# Altium PCB HACK_LINK_V1_new_power.PcbDoc (part 5 of 6) (continued)
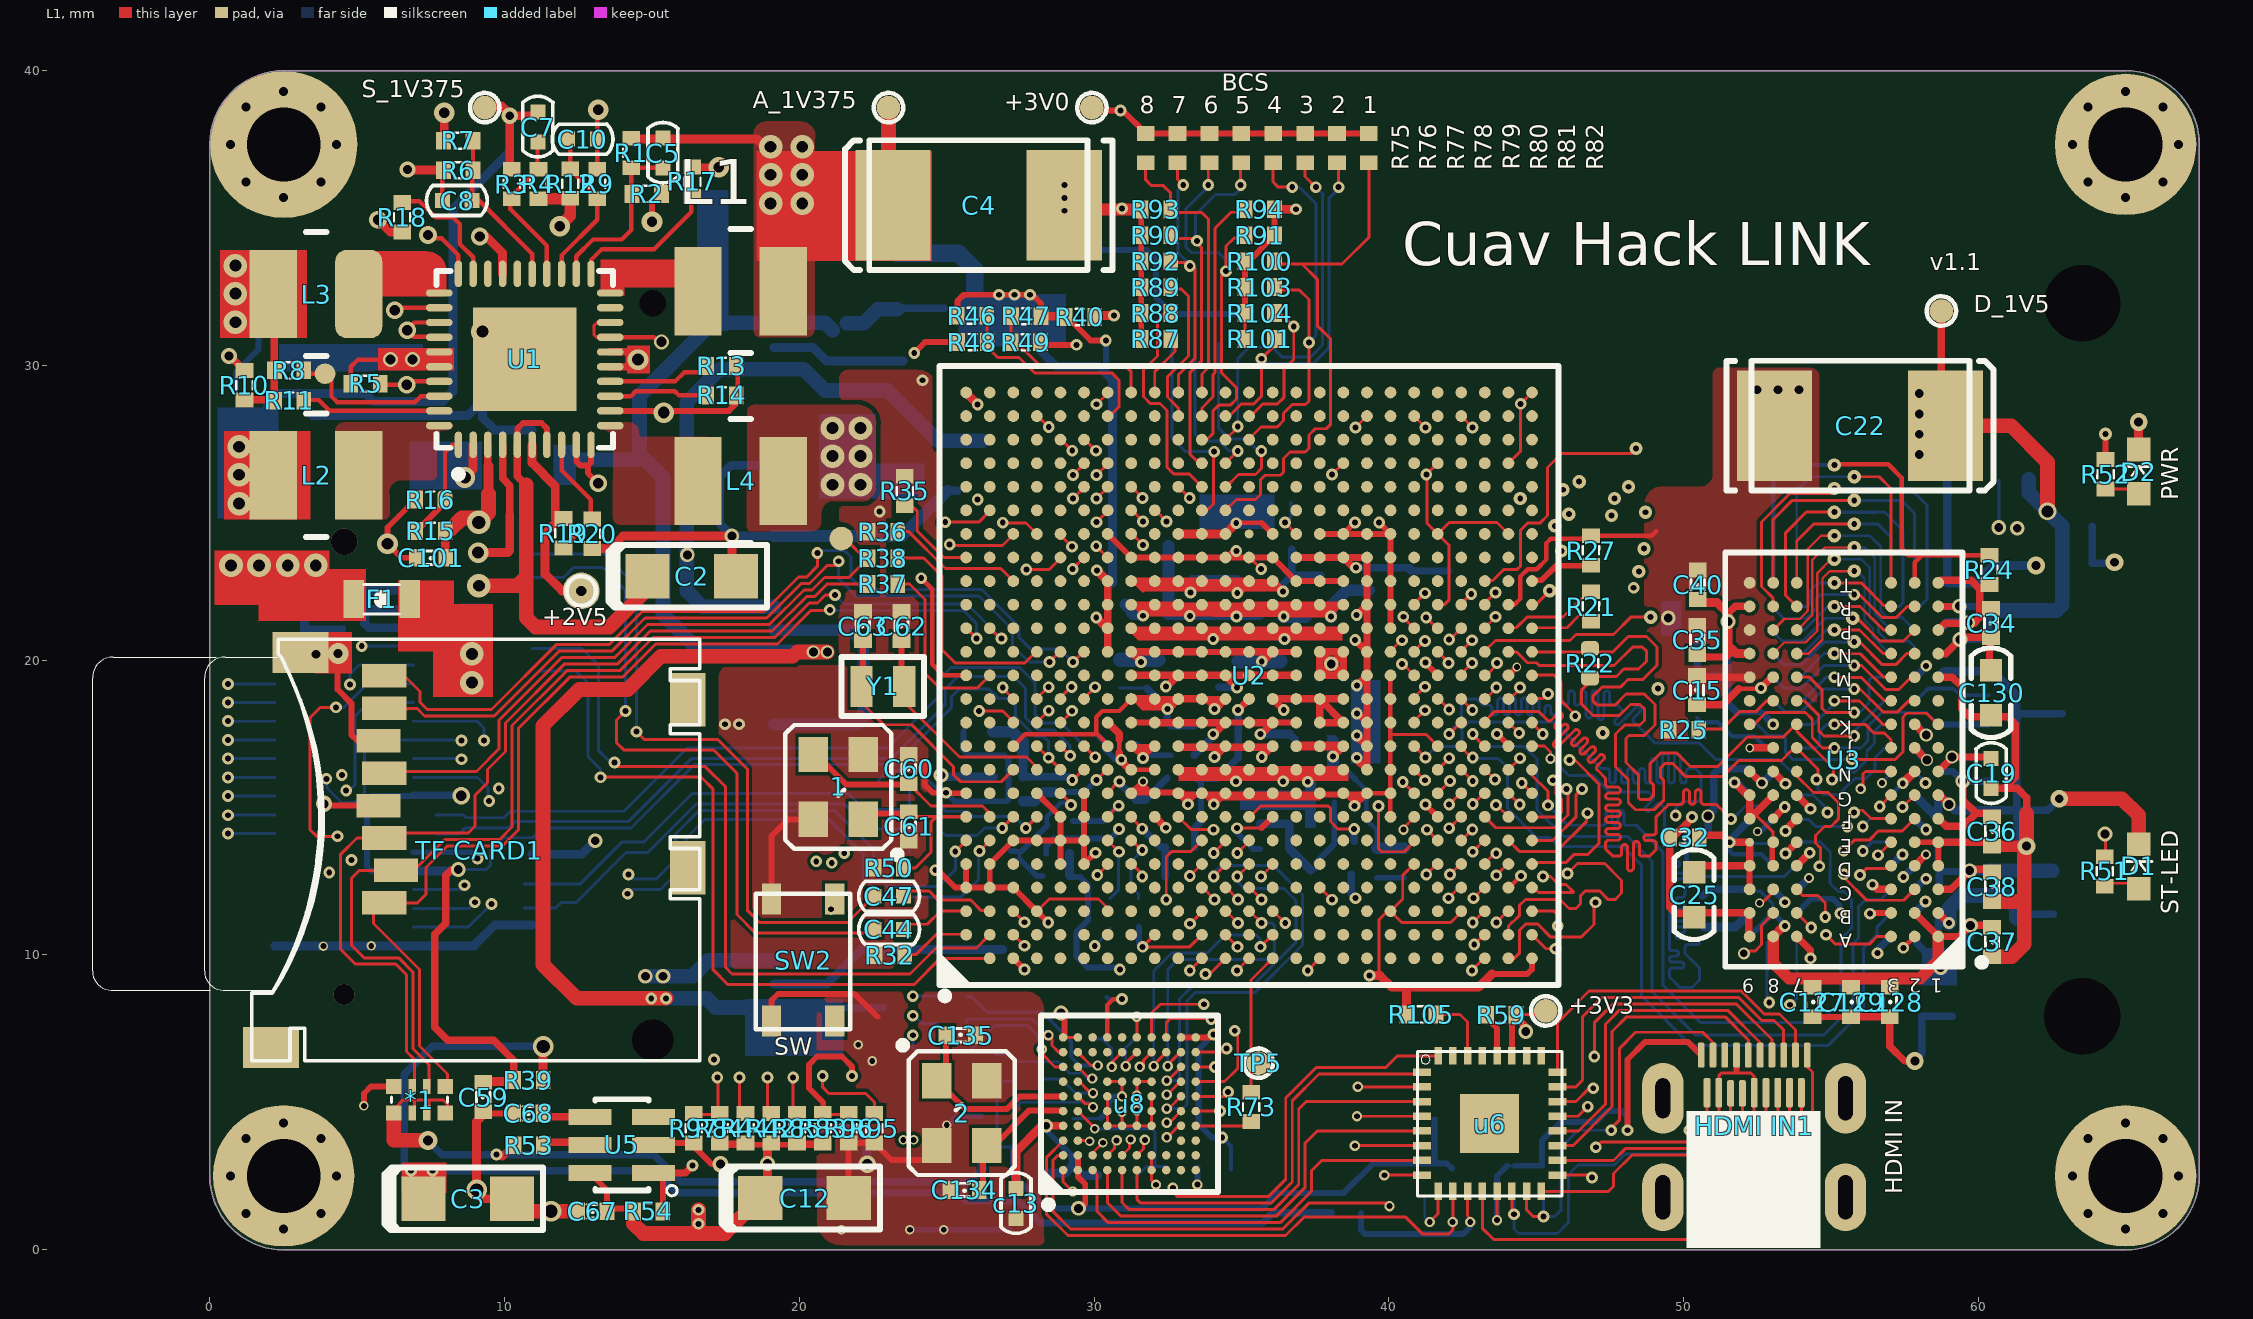
[diagram p0: L1 view]
## Nets (pads, with @x,y where several pads share a name; then routed paths per layer and width w, separated by ;. In a path a pad name is that pad's centre, name@x,y a point inside that pad or via, vN(x,y) a via of type N, cw(c..) or ccw(c..) an arc to the next point about the centre after c; other vN are vias at no path point) (continued)
  L1 w0.1: 15,35.502 R2.1@15.319,35.821 ; U5.2@15.05,3.551 U5.2@15.45,3.551 ; U2.D3@28.06,11.484 28.476,11.9 30.15,11.9 30.46,11.59 U2.G3@30.46,11.484 ; C4.2@28.989,35.441 C4.2@29.137,35.293 ; u8.D6@30.45,5.2 u8.D5@30.45,4.7 u8.D4@30.45,4.2 u8.E4@30.95,4.2 ; v2@30.975,4.7 v2(30.95,4.675) u8.E4@30.95,4.2 ; v2(31.45,4.725) u8.F4@31.45,4.2 ; u8.G6@31.95,5.2 u8.G5@31.95,4.7 u8.G4@31.95,4.2 u8.F4@31.45,4.2 ; U2.J2@32.06,10.684 v1(31.65,10.274) 33.25,10.274 U2.L2@33.66,10.684 ; v1(33.25,12.674) U2.L5@33.66,13.084 ; U2.M18@34.45,23.5 34.651,23.701 v1(34.827,23.701) ; R101.1@35.125,30.9 R104.1@35.125,31.78 ; U2.N18@35.286,23.478 v1(35.671,23.093) ; v1@39.3,9.3 v1(39.35,9.3) ; v1@39.55,9.3 39.675,9.425 39.675,11.2 39.959,11.484 U2.W3@40.06,11.484 ; 40.055,17.475 41.269,17.475 U2.AA10@41.66,17.084 ; U2.Y5@40.86,13.084 40.475,12.7 40.475,11.899 U2.W3@40.06,11.484 ; U2.Y24@40.86,28.284 v1(41.245,27.899) ; U2.AA16@41.66,21.884 41.884,21.884 42.05,22.05 42.05,23.894 U2.AA19@41.66,24.284 ; U2.AA22@41.66,26.684 v1(41.275,26.299) 41.294,26.28 41.294,24.65 U2.AA19@41.66,24.284 ; U2.AB3@42.46,11.484 42.46,11.46 42.1,11.1 40.444,11.1 U2.W3@40.06,11.484 ; U2.AB24@42.46,28.284 v1(42.845,27.899) ; v1@43.659,15.084 U2.AD7@44.06,14.684 ; U2.AD19@44.06,24.284 43.669,24.675 42.051,24.675 U2.AA19@41.66,24.284 ; U2.AD22@44.06,26.684 44.475,27.099 v1(44.475,28.699) U2.AE25@44.86,29.084 ; v1(46.975,6.55) 46.975,7.7 47.615,8.34 51.785,8.34 53,7.125 53,6.6 ; v1@50.2,3.95 51,3.95 51.2,4.15 51.2,5.325 ; 51.2,5.575 51.2,5.9 51.3,6 52.275,6 52.4,5.875 52.4,5.325 52.4,4.6 52.15,4.35 v1(52.15,3.6) ; v12@52.225,17.075 v12@52.276,17.024 ; 52.278,14.928 53.044,14.162 U3.E8@53.044,13.824 ; v1(53.1,3.675) 53.575,3.675 53.78,3.88 53.78,4.495 53.6,4.675 53.6,5.325 ; u8.E4@30.95,4.2 u8.F4@31.45,4.2
  L1 w0.15: U2.C10@27.26,17.084 27.66,17.484 30.116,17.484 30.07,17.53 30.07,18.07 30.275,18.275 30.851,18.275 U2.H12@31.26,18.684 ; U2.V8@39.24,15.489 U2.W8@40.04,15.489 ; U2.W7@40.055,14.689 40.055,17.475 U2.W13@40.055,19.429 ; U2.AD4@44.085,12.284 v1(44.485,12.684)
  L1 w0.154: v1(24.135,22.784) 24.507,22.412 24.507,19.859 24.882,19.484 U2.A13@25.66,19.484 ; 30.116,17.484 U2.G10@30.46,17.14 ; U2.AD16@44.06,21.884 44.259,21.884 44.468,22.093 44.468,22.847 44.713,23.092 45.023,23.092 45.35,23.419 45.35,23.975 45.501,24.126 46.767,24.126 R27.2@46.862,24.221 48.921,24.221 49.075,24.375 ; C32.2@49.535,13.984 C32.2@49.585,13.984
  L1 w0.2: v17(4.35,20.225) 4.335,20.21 4.335,19.003 4.8,18.538 4.8,17.475 5.008,17.267 5.718,17.267 ; v6(5.225,4.875) 5.225,5.3 5.459,5.534 *1.8@6.235,5.534 ; R16.2@6.975,25.45 6.025,24.5 v10(6.025,23.95) 6.5,23.475 C101.2@7,23.475 ; C59.1@9.325,4.625 C68.2@10.3,4.625 ; v11(15,34.875) 15,35.502 ; U5.2@15.45,3.551 15.518,3.619 R97.1@16.421,3.619 16.421,3.504 17.025,2.9 v18(17.325,2.9) ; SW2.4@19.05,7.75 19.05,8.45 19.275,8.675 21.875,8.675 22.65,7.9 ; SW2.2@19.05,12.075 19.05,14.025 19.626,14.601 1.4@20.474,14.601 ; C12.2@21.671,1.754 R96.1@21.671,3.619 R95.1@22.546,3.619 23.125,3.04 24.168,3.04 2.2@24.661,3.533 ; v1(23.9,30.425) 24.269,30.794 R48.1@25.372,30.794 ; 24.241,16.54 24.241,15.786 24.526,15.501 v1(24.976,15.501) ; v1@24.613,12.962 25.291,12.284 U2.A4@25.66,12.284 ; v1@25.041,15.484 U2.A8@25.66,15.484 ; U2.A5@25.66,13.084 U2.A4@25.66,12.284 ; U2.C1@27.26,9.884 v1(27.644,9.5) ; U2.D8@28.06,15.484 U2.E7@28.86,14.684 U2.E6@28.86,13.884 ; R49.1@28.185,30.786 28.271,30.7 v1(29.4,30.7) ; v1(28.444,11.1) U2.D3@28.06,11.484 U2.C4@27.26,12.284 U2.B4@26.46,12.284 ; U2.E5@28.86,13.084 U2.E6@28.86,13.884 ; U2.F8@29.66,15.484 U2.F7@29.66,14.684 U2.F6@29.66,13.884 ; v1(30.044,13.468) U2.F5@29.66,13.084 U2.F6@29.66,13.884 ; U2.G10@30.46,17.084 U2.G10@30.46,17.14 ; U2.G19@30.46,24.284 U2.H18@31.26,23.484 U2.J18@32.06,23.484 U2.K18@32.86,23.484 U2.L18@33.66,23.484 U2.M18@34.46,23.484 U2.N18@35.26,23.484 U2.P18@36.06,23.484 U2.R17@36.86,22.684 U2.T17@37.66,22.684 U2.U17@38.46,22.684 ; U2.H8@31.26,15.484 U2.H8@31.28,15.504 ; U2.H15@31.26,21.084 31.305,21.039 37.615,21.039 38.415,21.039 U2.U15@38.46,21.084 ; R87.1@31.6,30.9 R88.1@31.6,31.779 R89.1@31.6,32.657 R92.1@31.6,33.536 R90.1@31.6,34.414 R93.1@31.6,35.293 ; v2(31.66,15.884) U2.H8@31.28,15.504 ; U2.J12@32.06,18.684 U2.K12@32.86,18.684 ; U2.K8@32.86,15.484 v1@33.235,15.109 ; U2.L12@33.66,18.684 U2.M12@34.46,18.684 ; v1@34.06,15.084 U2.M8@34.415,15.439 ; U2.M8@34.46,15.484 U2.M8@34.415,15.439 ; R104.1@35.125,31.78 R103.1@35.125,32.66 35.125,33.42 R91.1@36.125,34.42 R94.1@36.125,35.3 ; U2.N8@35.215,15.439 U2.N8@35.26,15.484 ; U2.P8@36.015,15.439 U2.P8@36.06,15.484 ; U2.T8@37.66,15.484 37.615,15.439 U2.V8@39.215,15.439 ; U2.T19@37.66,24.284 U2.U19@38.46,24.284 ; v1(38.835,15.059) U2.V8@39.215,15.439 ; v1(38.85,24.674) U2.U19@38.46,24.284 ; U2.V8@39.26,15.484 U2.V8@39.215,15.439 ; v1(39.675,24.669) U2.W19@40.06,24.284 ; U2.W7@40.015,14.729 U2.W7@40.06,14.684 U2.W7@40.055,14.689 ; U2.W13@40.03,19.454 U2.W13@40.06,19.484 ; U2.W15@40.06,21.084 U2.W16@40.06,21.884 U2.W17@40.06,22.684 U2.W18@40.06,23.484 U2.W19@40.06,24.284 ; v1@41.225,19.919 U2.AA13@41.66,19.484 ; v1(41.244,15.1) U2.AA7@41.66,14.684 ; 43.5,9.35 44.7,9.35 44.86,9.51 U2.AE1@44.86,9.884 ; v1(43.675,17.5) 44.06,17.115 U2.AD10@44.06,17.084 ; U2.AD13@44.06,19.484 v12@44.369,19.793 ; 51.8,6.05 51.8,6.6 ; U3.D8@53.013,13.055 U3.E8@53.013,13.855 ; C127.2@54.375,7.899 C129.2@55.686,7.899 ; v1@56.4,11.424 U3.B3@57.044,11.424 ; U3.E2@57.844,13.824 U3.E1@58.644,13.824 U3.D1@58.644,13.024 ; U2.A4@25.66,12.284 U2.B4@26.46,12.284 ; U2.B4@26.46,12.284 U2.B5@26.46,13.084 U2.C6@27.26,13.884 U2.D6@28.06,13.884 U2.E6@28.86,13.884 ; U2.E6@28.86,13.884 U2.F6@29.66,13.884 ; U2.H8@31.28,15.504 32.996,15.504 33.061,15.439 U2.M8@34.415,15.439 ; U2.U19@38.46,24.284 U2.V19@39.26,24.284 U2.W19@40.06,24.284
  L1 w0.25: C32.2@49.61,13.959 v1@50.31,14.659
  L1 w0.254: U2.H12@31.26,18.684 U2.J12@32.06,18.684 ; v1@32.51,18.334 U2.K12@32.86,18.684 U2.L12@33.66,18.684 ; U2.K10@32.86,17.084 32.901,17.043 U2.M10@34.419,17.043 ; v1@34.085,16.709 U2.M10@34.419,17.043 ; v1@34.11,18.334 U2.M12@34.46,18.684 ; U2.M10@34.46,17.084 U2.M10@34.419,17.043 ; U2.N10@35.26,17.084 U2.N10@35.301,17.043 ; v1@35.66,16.684 U2.P10@36.019,17.043 ; U2.P10@36.06,17.084 U2.P10@36.019,17.043 ; v1(36.435,18.309) U2.P12@36.06,18.684 U2.R12@36.86,18.684 U2.T12@37.66,18.684 ; U2.U12@38.46,18.684 U2.T12@37.66,18.684 ; U2.AD4@44.06,12.284 U2.AD4@44.085,12.284 ; C32.2@49.535,13.984 49.535,11.609 49.735,11.409 50.236,11.409 cw(c50.236,11.285) C25.2@50.36,11.285 50.499,11.424 U3.B9@52.244,11.424 ; C15.2@50.46,19.484 50.52,19.424 U3.M9@52.244,19.424 ; v1@51.71,15.874 52.16,15.424 U3.G9@52.244,15.424 U3.F9@52.244,14.624 U3.G8@53.044,15.424 ; U3.B9@52.213,11.393 52.213,10.655 U3.A9@52.244,10.624 ; v12@52.276,17.024 U3.J8@53.044,17.024 ; U3.D8@53.013,13.055 U3.D8@53.044,13.024 U3.D8@53.044,12.993 ; C129.2@55.686,7.899 C128.2@56.997,7.899 56.997,6.903 57.5,6.4 v8(57.85,6.4) ; U3.J2@57.844,17 U3.J2@57.844,17.024 v25@58.259,16.609 ; U3.B1@58.644,11.424 v1@58.934,11.134 ; U3.E1@58.644,13.824 C36.2@60.423,13.824 ; U3.G1@58.644,15.424 58.695,15.424 v9(59.01,15.109) ; U3.M1@58.644,19.424 59.12,19.424 59.435,19.109 59.435,18.359 59.709,18.085 61.009,18.085 61.26,17.834 61.26,16.034 60.875,15.649 ; U3.P1@58.644,21.024 58.879,21.259 59.86,21.259 60.06,21.459 60.06,22.409 59.76,22.709 58.729,22.709 U3.T1@58.644,22.624 ; C19.2@60.441,15.649 60.875,15.649 ; 61.64,14.79 61.64,15.335 61.326,15.649 60.875,15.649 ; U2.M10@34.419,17.043 U2.N10@35.301,17.043 ; U2.N10@35.301,17.043 U2.P10@36.019,17.043 ; U2.T12@37.66,18.684 U2.T11@37.66,17.884 U2.U11@38.46,17.884 U2.T12@37.66,18.684
  L1 w0.3: v7(5.7,34.95) 6.119,34.531 R18.1@6.521,34.531 ; R7.2@7.95,37.65 v11(7.95,38.575) ; C59.1@9.325,4.625 9.05,4.35 9.05,1.9 9.225,1.725 C3.2@10.25,1.725 ; R20.2@12.968,23.789 13.589,23.789 14.015,24.215 v4(17.71,24.215) 17.71,22.99 C2.2@17.85,22.85 ; U2.A25@25.66,29.084 25.66,29.065 v1(26.05,28.675) ; U2.M8@34.415,15.389 U2.T8@37.615,15.389 ; R94.1@36.125,35.3 v1(36.85,35.3) ; v1(39.35,9.3) 39.55,9.3 39.7,9.3 40.1,8.9 43.05,8.9 43.5,9.35 ; R105.1@40.606,7.979 40.606,8.894 ; D2.2@65.444,27.15 v8(65.444,28.081)
  L1 w0.4: R4.1@11.146,35.656 R12.2@12.208,35.656 ; v11(11.875,34.725) 12.225,35.075 R12.2@12.225,35.673 ; C4.2@29.137,35.293 R93.1@31.6,35.293 ; C36.2@60.466,13.69 v8(61.64,13.69)
  L1 w0.5: C3.2@10.675,1.3 C67.2@12.475,1.3 ; C37.2@60.466,9.94 61.14,9.94 61.565,10.365 61.565,11.815 ; C38.2@60.466,11.815 61.565,11.815 ; 61.64,14.79 v8(61.64,13.69) 61.565,13.615 61.565,11.815 ; v8(62.75,15.3) 64.875,15.3 65.444,14.731 D1.2@65.444,13.75
  GND w0.1: 32.075,4.1 32.1,3.275
  GND w0.154: 29.65,4.45 30.475,4.475
  L6 w0.1: v1@0.603,16.657 con1.31@2.2,16.657 ; v1@9.1,13.175 v1@9.1,13.275 ; R33.1@22.706,15.721 22.706,15.956 22.99,16.24 24.06,16.24 24.799,15.501 v1(24.976,15.501) ; C105.2@30.859,19.05 C105.2@31.781,19.05 ; C104.2@32.491,17.884 C104.2@32.6,17.775 ; C79.2@36.575,14.45 C79.2@36.625,14.4 ; C73.2@37.349,12.876 C73.2@37.525,12.876 C73.2@37.525,13.125 ; C116.2@50.65,11 C116.2@50.7,10.95 ; U4.E1@52.281,13.787 U4.E2@53.007,13.787 ; U4.G9@58.644,15.424 U4.G9@58.695,15.424 ; U4.P9@58.644,21.024 U4.P9@58.699,21.024
  L6 w0.154: v1(50.285,14.684) 50.285,14.623 50.11,14.448 50.11,13.159 50.245,13.024 U4.D1@52.244,13.024 ; C24.2@50.46,18.035 50.595,17.9 51.169,17.9 51.642,17.427 52.402,17.427 52.805,17.024 U4.J2@53.044,17.024 ; C33.2@60.36,11.859 cw(c60.516,11.859) C33.2@60.516,12.015
  L6 w0.2: C80.2@0.875,29.175 0.875,29.775 1.65,30.55 1.65,32.324 C1.2@2.666,33.34 ; con1.15@6.9,13.482 8.893,13.482 v1@9.1,13.275 ; C56.2@21.5,34.275 C92.2@21.5,36.026 ; v6@23.75,0.65 cw(c23.775,0.65) 23.775,0.675 C65.2@26.275,0.675 C64.2@27.15,0.675 ; v1(24.976,15.501) 25.262,15.215 C107.2@26.591,15.215 27.04,15.215 27.1,15.275 27.1,16.625 26.96,16.765 C58.1@26.591,16.765 25.76,16.765 25.575,16.95 c57.1@25.575,17.575 ; v6@25,4.175 25.35,4.525 C123.2@26.175,4.525 ; C9.2@28.625,33.925 31.775,33.925 32.1,33.6 32.1,32.3 R86.1@32.65,31.75 R99.1@33.433,31.75 R98.1@34.217,31.75 R102.1@35,31.75 ; v1@31.529,10.395 R45.1@31.529,10.956 ; v2(33.506,2.206) R74.2@33.506,2.796 ; C73.2@37.525,13.125 38.15,13.75 C85.2@38.15,15.175 ; C83.2@39.6,12.619 C103.2@40.525,12.619 ; U4.B3@53.844,11.424 54.325,11.905 55.07,11.905 55.3,11.675 v1@55.3,11.4
  L6 w0.254: C105.2@31.781,19.05 v1(32.491,18.34) C104.2@32.491,17.884 ; C104.2@32.6,17.775 C76.2@33.4,17.775 ; v1@51.71,15.774 51.894,15.774 U4.G1@52.244,15.424 ; U4.E2@53.007,13.787 U4.E2@53.044,13.824 ; v1(57.46,12.64) U4.D8@57.844,13.024 ; v8(57.85,6.4) 58.091,6.641 C118.2@58.091,7.915 C117.2@59.116,7.915 ; U4.A9@58.644,10.624 U4.B9@58.644,11.424 ; 58.644,11.084 v1(59.01,11.084) ; U4.T9@58.644,22.624 58.925,22.624 58.95,22.649 ; 61.275,14.909 61.316,14.909 ; 61.291,11.25 61.417,11.376 C131.2@62.55,11.376 ; R26.1@61.316,18.788 61.316,18.15 ; v8(61.64,13.69) 61.316,14.014 61.316,14.909 ; v8(62.75,15.3) 62.359,14.909 61.316,14.909 ; C11.2@62.85,18.175 61.341,18.175 61.316,18.15 ; C126.2@63.866,24.54 C125.2@63.866,23.29 64.59,23.29 v8(64.625,23.325) ; 61.316,14.909 C29.2@61.316,15.765 C18.2@61.316,16.715 61.316,18.15
  L6 w0.3: con1.21@2.2,10.307 con1.20@6.9,10.307 8.957,10.307 9.665,11.015 J1.9@10.929,11.015 ; con1.36@3.207,19.832 con1.39@3.207,21.707 ; C81.2@3.474,28.3 8.75,28.3 9.25,28.8 ; v5(9.25,31.15) 9.25,28.8 ; J1.15@10.929,13.415 12.615,13.415 v4(13.075,13.875) ; J1.43@10.929,27.815 9.66,27.815 9.25,28.225 9.25,28.8 ; J1.4@19.129,9.015 20.94,9.015 22.111,10.186 26.888,10.186 ; J1.34@19.129,24.215 v4(17.71,24.215) 17.3,24.625 17.3,26.225 17.69,26.615 J1.40@19.129,26.615 ; J1.50@19.129,30.615 20.46,30.615 20.925,30.15 23.525,30.15 ; C52.2@20.747,4.097 21.928,4.097 22.3,3.725 v16(22.3,2.9) ; 25.025,25.75 25.35,25.75 ; C78.2@35.65,14.45 C79.2@36.575,14.45 ; C79.2@36.625,14.4 C122.2@36.625,13.6 C73.2@37.349,12.876 ; C116.2@50.7,10.95 51.77,10.95 U4.B1@52.244,11.424 ; U4.G8@57.844,15.424 U4.F9@58.644,14.624 U4.G9@58.644,15.424 ; U4.J8@57.844,17.024 v25(58.26,16.609) ; U4.M9@58.644,19.424 58.845,19.625 60.479,19.625 R26.1@61.31,18.794 ; U4.G9@58.695,15.424 v9(59.01,15.109) 59.21,14.909 C31.2@60.36,14.909 61.275,14.909 ; U4.P9@58.699,21.024 58.95,21.275 v4@59.7,21.275 ; C26.2@58.95,26.15 58.95,22.649 58.975,22.624 59.905,22.624 C23.2@60.493,23.212 v8(61.962,23.212)
  L6 w0.4: J1.18@19.129,17.815 21.966,17.815 22.175,18.024 22.175,20.575 21.735,21.015 J1.26@19.129,21.015 ; J1.34@19.129,24.215 23.49,24.215 25.025,25.75
  L6 w0.5: v1(59.01,11.084) 59.01,11.584 59.441,12.015 60.516,12.015 60.885,12.015 61.291,11.609 61.291,11.25
  other v1: 50.2,4.05 55.325,11.4 56.325,11.399 24.613,12.875 9.075,13.275 43.634,15.084 33.185,15.109 34.06,15.109 51.735,15.849 0.616,16.665 34.091,16.715 35.691,16.715 17.475,17.825 17.95,17.825 34.091,18.34 41.25,19.919 34.041,20.715 36.466,20.715 22.725,25.05 26.05,25.45 24.175,29.5 29,35.25 30.95,35.325 29,35.688 29,36.125
  other v4: 59.65,21.275 49.485,21.434 52.5,29.175 53.212,29.175 53.925,29.175
  other v6: 21.425,0.675 23.75,0.675 24.9,0.675 25,4.225 22.475,6.4 22,6.95 3.85,10.3 5.475,10.307
  other v12: 52.25,17.025 44.344,19.768
  other v13: 11.575,1.3 9.05,2.025
  other v17: 3.6,20.2
HDMI_3V3: R62.1 R64.1 R65.1 R66.1 R67.1 R68.1 R106.2 TP6.1 u8.B1 u8.B2 | length 23.5
  L1 w0.2: u8.B2@29.45,3.2 u8.B1@29.45,2.7 29.45,2.475 29.7,2.225 29.7,1.55
  L6 w0.1: R65.1@26.554,5.706 R66.1@27.191,5.706 ; R65.1@26.7,5.525 26.7,3.65 26.869,3.481 R64.1@27.254,3.481
  L6 w0.2: R64.1@27.254,3.481 27.254,2.521 28.375,1.4 v4(29.475,1.4) 35.725,1.4 36.25,1.925 38.475,1.925 39.47,2.92 41.675,2.92 ; TP6.1@41.55,4.425 41.55,3.045 41.675,2.92 ; R67.1@42.154,2.744 41.978,2.92 41.675,2.92
HDMI_CLK+: "HDMI IN1.12" u6.18 | length 7.9
  L1 w0.1: u6.18@45.725,3.025 47.625,3.025 48.025,3.425 51.3,3.425 51.825,3.95 51.825,4.525 52,4.7 52,5.325
HDMI_CLK-: "HDMI IN1.14" u6.17 | length 8.2
  L1 w0.1: u6.17@45.725,2.525 46.825,2.525 v1(46.9,2.45) ; v1(47.025,3.475) 47.195,3.645 51.209,3.645 51.6,4.036 51.6,5.325
  L2 w0.1: v1(46.9,2.45) v1@46.9,3.35
HDMI_D0+: "HDMI IN1.9" u6.20 | length 11
  L1 w0.1: u6.20@45.725,4.025 46.442,4.025 47.35,4.933 47.35,7.65 47.82,8.12 51.505,8.12 52.6,7.025 52.6,6.6
HDMI_D0-: "HDMI IN1.11" u6.19 | length 10.6
  L1 w0.1: u6.19@45.725,3.525 46.247,3.525 47.575,4.854 47.575,7.4 48.075,7.9 51.414,7.9 52.2,7.114 52.2,6.6
HDMI_D1+: "HDMI IN1.6" u6.22 | length 12.7
  L1 w0.1: u6.22@45.725,5.025 46.35,5.025 46.8,5.475 v1(46.938,5.475) ; 53.2,5.325 53.2,4.275 v1(53.3,4.175)
  L2 w0.1: v1(46.938,5.475) 47.3,5.475 47.5,5.675 47.5,6.75 47.775,7.025 52.725,7.025 53.3,6.45 v1(53.3,4.175)
HDMI_D1-: "HDMI IN1.8" u6.21 | length 12.6
  L1 w0.1: u6.21@45.725,4.525 46.425,4.525 v1(46.75,4.85) ; v1(52.575,3.9) 52.8,4.125 52.8,5.325
  L2 w0.1: v1(46.75,4.85) 47.375,4.85 47.9,5.375 47.9,6.564 48.066,6.73 52.17,6.73 52.575,6.325 v1(52.575,3.9)
HDMI_D2+: "HDMI IN1.3" u6.24 | length 11.6
  L1 w0.1: u6.24@45.725,6.025 45.725,7.7 46.796,8.771 51.963,8.771 52.739,7.995 53.255,7.995 53.8,7.45 53.8,6.6
HDMI_D2-: "HDMI IN1.5" u6.23 | length 11.5
  L1 w0.1: u6.23@45.725,5.525 46.35,5.525 46.575,5.75 46.575,7.9 47.23,8.555 51.874,8.555 52.655,7.775 53.075,7.775 53.4,7.45 53.4,6.6
HDMI_HPA: u6.32 u8.A1 | length 17.4
  L1 w0.1: u8.A1@28.95,2.7 28.95,2.3 v2(29.275,1.975) ; v2(32.675,2.1) 32.675,1.955 32.835,1.795 35.912,1.795 36.505,2.388 36.505,5.141 37.539,6.175 39.9,6.175 40.3,6.575 u6.32@41.675,6.575
  L2 w0.1: v2(29.275,1.975) 29.925,1.975 30.3,1.6 32.175,1.6 v2(32.675,2.1)
HDMI_HPD_CON: "HDMI IN1.1" u6.12 | length 18.3
  L1 w0.1: u6.12@43.175,1.975 43.175,0.725 43.55,0.35 50.3,0.35 50.6,0.65 50.6,2.525 50.95,2.875 53.875,2.875 54.375,3.375 54.375,6.025 54.2,6.2 54.2,6.6
HDMI_SCL: "HDMI IN1.17" R60.1 u6.15 | length 13.6
  L1 w0.1: u6.15@44.675,1.975 44.675,1.35 44.9,1.125 v1(45.25,1.125) ; v1@47.5,4.075 47.835,4.41 47.835,6.835 48.375,7.375 50.65,7.375 51,7.025 51,6.6
  L6 w0.1: R60.1@45.25,1.791 v1(45.25,1.125) 45.625,1.125 45.85,1.35 45.85,3.475 46.425,4.05 v1(47.55,4.05)
HDMI_SDA: "HDMI IN1.18" R61.1 u6.14 | length 12.4
  L1 w0.1: v1@44.175,1.275 u6.14@44.175,1.975 ; v1(50.675,4.325) 50.8,4.45 50.8,5.325
  L6 w0.1: R61.1@44.25,1.826 v1(44.25,1.2) 44.25,0.7 44.4,0.55 45.725,0.55 46.1,0.925 46.1,2.55 46.425,2.875 47.65,2.875 48.025,3.25 50.425,3.25 50.675,3.5 v1(50.675,4.325)
IRQ: R10.2 U1.32 | length 9.1
  L1 w0.1: v14@0.7,30.3 v14@0.702,30.3
  L1 w0.15: v7@6.1,31.8 6.259,31.959 U1.32@7.782,31.959
  L1 w0.254: v14@0.702,30.3 R10.2@1.171,29.831
  L2 w0.1: v14(0.65,30.325) 2.575,30.325 2.975,30.725 2.975,31.45 3.4,31.875 v7(6.275,31.875)
JTAG_MOD: con1.9 R45.2 U2.H6 | length 42.9
  L1 w0.1: U2.H6@31.276,13.894 v1@31.636,13.534
  L2 w0.1: v1@4,15.875 4,16.425 4.175,16.6 6.986,16.6 7.45,16.136 7.45,11.986 7.461,11.975 ; 7.45,11.975 8.068,11.357 20.046,11.357 20.848,12.16 26.148,12.16 26.917,12.928 29.764,12.928 29.914,13.078 31.153,13.078 31.609,13.534 v1@31.636,13.534
  L6 w0.1: v1@3.975,15.875 3.975,15.664 4.464,15.175 4.9,15.175 5.25,15.525 5.25,17.025 5.517,17.292 con1.9@6.9,17.292 v1@8.498,17.292 ; R45.2@31.504,11.906 31.504,12.071 31.25,12.325 31.25,13.148 v1@31.636,13.534
  other v1: 31.636,13.559 3.95,15.975 8.534,17.275
JTAG_NTRST: con1.8 U2.C2 | length 39.9
  L1 w0.1: U2.C2@27.25,10.7 v1(27.641,10.309)
  L2 w0.1: v1@4.15,12.8 5.325,12.8 5.845,12.28 5.845,11.402 7.462,9.785 25.741,9.785 26.265,10.309 v1(27.641,10.309)
  L3 w0.1: v1(4.05,12.8) 4.925,12.8 5.225,13.1 5.225,17.775 5.6,18.15 9.05,18.15 9.3,17.9 v1(9.3,17.275)
  L6 w0.1: con1.8@6.9,17.927 9.073,17.927 9.3,17.7 v1(9.3,17.275)
JTAG_TCK: con1.7 U2.H5 | length 37.3
  L1 w0.1: U2.H5@31.276,13.094 v1@31.686,12.684
  L2 w0.1: 4.425,15.525 4.425,15.15 4.582,14.993 6.044,14.993 6.945,14.091 6.945,11.858 7.918,10.885 25.285,10.885 25.913,11.513 26.53,11.513 26.582,11.565 26.598,11.565 27.172,12.139 29.098,12.139 29.112,12.125 29.114,12.125 29.249,11.99 30.465,11.99 30.97,12.495 31.497,12.495 v1@31.686,12.684
  L6 w0.1: 4.425,15.525 4.675,15.525 4.925,15.775 4.925,18.1 5.388,18.562 con1.7@6.9,18.562
  other v1: 31.636,12.659 4.623,15.58
JTAG_TDI: con1.5 U2.G5 | length 37.4
  L1 w0.1: v1(30.11,12.708) U2.G5@30.47,13.068
  L2 w0.1: v1@4.475,16.075 4.775,16.375 6.9,16.375 7.23,16.045 7.23,11.884 7.976,11.137 20.137,11.137 20.944,11.944 26.244,11.944 27.008,12.708 v1(30.11,12.708)
  L3 w0.1: v1@4.475,16.075 4.525,16.075 4.725,16.275 v1@4.725,19.175
  L6 w0.1: v1(4.75,19.175) 4.75,19.525 5.057,19.832 con1.5@6.9,19.832
  other v1: 4.475,16.1
JTAG_TDO: con1.6 R43.2 | length 39.7
  L1 w0.1: v1(4.275,18.4) 3.75,18.4 3.4,18.05 3.4,14.25 3.625,14.025 v1(4.325,14.025)
  L2 w0.1: v1(4.325,14.025) 4.505,14.205 5.898,14.205 6.285,13.818 6.285,11.584 7.644,10.225 25.558,10.225 26.201,10.867 26.817,10.867 27.429,11.479 28.846,11.479 ; 28.846,11.478 28.99,11.335 29,11.325 29.553,11.325 30.025,10.853 v1(30.025,10.3)
  L6 w0.1: v1(4.275,18.4) 4.55,18.4 5.347,19.197 con1.6@6.9,19.197 ; v1(30.025,10.3) 30.546,10.821 R43.2@30.546,10.919
JTAG_TDO_R: R43.1 U2.G6 | length 2.2
  L1 w0.1: U2.G6@30.46,13.884 v1(30.845,13.499)
  L6 w0.1: R43.1@30.546,11.919 30.835,12.208 v1@30.835,13.499
JTAG_TMS: con1.4 U2.C3 | length 38.4
  L1 w0.1: U2.C3@27.25,11.5 v1(27.641,11.109)
  L2 w0.1: v1(4.8,13.225) 4.8,13.7 5.085,13.985 5.807,13.985 6.065,13.727 6.065,11.493 7.553,10.005 25.649,10.005 26.296,10.652 27.184,10.652 v1(27.641,11.109)
  L3 w0.1: v1(4.8,13.225) 4.8,14.35 4.345,14.805 4.345,15.334 4.084,15.595 3.655,15.595 3.475,15.775 3.475,19.15 4,19.675 4.9,19.675 5.15,19.925 v1(5.15,20.476)
  L6 w0.1: v1(5.15,20.476) 5.151,20.475 6.893,20.475 con1.4@6.9,20.467
KEY_COL5: SW2.1 U2.P5 | length 16.6
  L1 w0.1: v1(35.66,12.658) U2.P5@36.07,13.068
  L2 w0.1: v1(21.075,11.55) 21.075,11.475 21.445,11.105 25.194,11.105 25.818,11.729 26.434,11.729 27.065,12.359 29.182,12.359 29.187,12.354 ; 29.187,12.354 29.201,12.341 29.203,12.341 29.333,12.21 30.335,12.21 30.983,12.858 31.244,12.858 31.436,13.05 35.425,13.05 35.66,12.815 v1(35.66,12.658)
LRCLK: R71.1 u8.B9 | length 6.5
  L1 w0.1: u8.B9@29.45,6.7 29.9,6.25 v2@30.05,6.25
  L6 w0.125: R71.1@25.694,8.579 25.846,8.579 26.375,8.05 28.24,8.05 29.225,7.065 29.225,6.525 29.5,6.25 v2(30.125,6.25)
LTC3676_SCL: R13.1 U1.14 | length 3.4
  L1 w0.15: U1.14@13.582,29.459 15.784,29.459 16.1,29.775 R13.1@16.854,29.775
LTC3676_SDA: R14.1 U1.13 | length 3.4
  L1 w0.15: U1.13@13.582,28.959 14.284,28.959 14.45,29.125 15.775,29.125 15.917,28.983 R14.1@16.862,28.983
MCLINK: R69.1 u8.A8 | length 4.8
  L1 w0.1: v2@28.225,6.925 v2(28.225,6.8) 28.225,6.65 28.675,6.2 u8.A8@28.95,6.2
  L6 w0.1: R69.1@25.494,6.729 25.754,6.729 26.623,7.598 27.752,7.598 28.105,7.245 28.105,6.92 v2(28.225,6.8)
MPCIE_1V5: C54.1 C55.1 J1.6 J1.28 J1.48 SH2.2 TP1.1 | length 47.7
  L3 w0.5: v4(14.775,9.275) 12.8,9.275 12.15,9.925 12.15,21.775 11.225,22.7 11.225,23.325 11.75,23.85 15.925,23.85 v4(16.2,23.575)
  L6 w0.5: v4(14.775,9.275) v4(15.375,9.275) 16.375,9.275 16.915,9.815 J1.6@19.129,9.815 ; J1.28@19.129,21.815 16.71,21.815 16.175,22.35 16.175,28.75 17.3,29.875 20.15,29.875 20.875,29.15 23,29.15 24.7,27.45 C55.1@26.225,27.45
MPCIE_3V3: C50.1 C52.1 C53.1 C56.1 J1.2 J1.24 J1.39 J1.41 J1.52 SH1.1 TP_PCI_E_VCC1.1 | length 58.8
  L1 w0.5: v1(15.475,8.525) v1(14.975,8.525) 12.45,8.525 11.3,9.675 11.3,17.775 12.53,19.005 14.174,19.005 15.299,20.13 19.78,20.13 19.925,20.275 v9(20.95,20.275)
  L6 w0.25: SH1.1@23.339,31.938 C50.1@24.923,31.938
  L6 w0.254: J1.2@19.129,8.215 TP_PCI_E_VCC1.1@22.84,8.215
  L6 w0.5: 12.125,26.8 14.775,26.8 14.575,27 14.575,28.975 17.05,31.45 20.874,31.45 C56.1@21.125,31.199 ; 14.65,26.925 15.375,26.2 15.375,21.55 16.65,20.275 v9(20.95,20.275) ; v1(15.475,8.525) 16.85,8.525 17.16,8.215 J1.2@19.129,8.215 ; C56.1@21.61,31.434 22.185,31.434 22.66,31.909 SH1.1@23.31,31.909
  other v9: 20.475,20.275
Net2_1: 2.1 C135.1 u8.A6 | length 6.1
  L1 w0.2: 2.1@24.661,5.733 25.619,4.775 27.05,4.775 27.475,5.2 u8.A6@28.95,5.2 ; 2.1@24.975,6.047 C135.1@24.975,7.275
Net2_3: 2.3 C134.1 u8.A5 | length 4.7
  L1 w0.1: 2.3@26.225,3.397 2.3@26.361,3.533
  L1 w0.2: C134.1@26.225,2 2.3@26.225,3.397 ; 2.3@26.361,3.533 26.608,3.533 27.8,4.725 u8.A5@28.95,4.725
NetC68_1: C68.1 U5.4 | length 1.6
  L1 w0.255: C68.1@11.301,4.501 U5.4@12.9,4.501
NetC133_1: C133.1 R74.1 u8.B5 | length 5.3
  L1 w0.1: u8.B5@29.45,4.7 v6@30.025,4.125
  L6 w0.1: v6(30.025,4.1) 31.95,4.1 32.075,3.975 32.075,2.821 ; C133.1@31.421,2.463 31.779,2.821 32.075,2.821 ; R74.1@32.506,2.821 32.075,2.821
NetD1_1: D1.1 R51.1 | length 1.2
  L1 w0.1: R51.1@64.321,12.431 65.263,12.431 D1.1@65.444,12.25
NetD2_1: D2.1 R52.1 | length 1.2
  L1 w0.1: R52.1@64.321,25.806 65.288,25.806 D2.1@65.444,25.65
NetR5_2: R5.2 U1.33 U1.34 U1.37 | length 7.3
  L1 w0.15: R5.2@5.802,29.35 v7(6.675,29.35) 6.784,29.459 U1.37@7.782,29.459 ; U1.34@7.782,30.959 7.766,30.975 6.9,30.975 6.775,31.1 6.775,31.3 6.934,31.459 U1.33@7.782,31.459
  L2 w0.2: v7(6.675,29.35) 7.1,29.35 7.375,29.625 7.375,30.975 7.15,31.2 v7(6.7,31.2)
NetR58_2: R58.2 u6.11 | length 5.6
  L1 w0.1: u6.11@42.675,1.975 42.675,1.15 v2@42.775,1.05
  L6 w0.2: R58.2@39.056,1.246 39.056,0.669 39.2,0.525 42.525,0.525 42.766,0.766 v2(42.766,0.94)
NetR59_2: R59.2 u6.28 | length 1.4
  L1 w0.2: R59.2@43.35,7.825 43.675,7.5 u6.28@43.675,6.575
NetR72_1: R72.1 u8.D10 | length 2.2
  L1 w0.15: u8.D10@30.45,7.2 30.45,8.3 30.65,8.5 v1(30.95,8.5)
  L6 w0.15: R72.1@30.435,8.569 30.504,8.5 v1(30.95,8.5)
NetR73_2: R73.2 u8.K4 | length 1.9
  L1 w0.1: u8.K4@33.45,4.2 35.185,4.2 R73.2@35.329,4.344
NetR105_2: R105.2 u6.30 | length 2.3
  L1 w0.1: R105.2@41.606,7.979 42.421,7.979 42.675,7.725 u6.30@42.675,6.575
NRESET_BTN: U5.3
ON: R18.2 U1.29 | length 4.2
  L1 w0.15: R18.2@6.521,35.531 6.569,35.579 7.106,35.579 7.66,35.025 8.25,35.025 8.475,34.8 8.475,34.125 8.932,33.668 U1.29@8.932,33.109

## Text inside footprints (layer, text, board x,y; h text height)
U3: Top Overlay "B" at 55.719,11.674 h0.8 r180; Top Overlay "D" at 55.719,13.274 h0.8 r180; Top Overlay "F" at 55.719,14.899 h0.8 r180; Top Overlay "N" at 55.719,16.499 h0.8 r180; Top Overlay "K" at 55.719,18.099 h0.8 r180; Top Overlay "M" at 55.719,19.724 h0.8 r180; Top Overlay "P" at 55.719,21.324 h0.8 r180; Top Overlay "T" at 55.719,22.924 h0.8 r180; Top Overlay "R" at 55.719,22.124 h0.8 r180; Top Overlay "N" at 55.719,20.524 h0.8 r180; Top Overlay "L" at 55.719,18.924 h0.8 r180; Top Overlay "J" at 55.744,17.299 h0.8 r180; Top Overlay "G" at 55.719,15.674 h0.8 r180; Top Overlay "E" at 55.719,14.074 h0.8 r180; Top Overlay "C" at 55.719,12.474 h0.8 r180; Top Overlay "A" at 55.719,10.874 h0.8 r180; Top Overlay "1" at 58.794,9.349 h0.8 r180; Top Overlay "3" at 57.319,9.349 h0.8 r180; Top Overlay "7" at 54.094,9.349 h0.8 r180; Top Overlay "9" at 52.394,9.349 h0.8 r180; Top Overlay "8" at 53.269,9.349 h0.8 r180; Top Overlay "2" at 58.069,9.349 h0.8 r180
U4: Bottom Overlay "B" at 55.169,11.674 h0.8 r180; Bottom Overlay "D" at 55.169,13.274 h0.8 r180; Bottom Overlay "F" at 55.169,14.899 h0.8 r180; Bottom Overlay "N" at 55.169,16.499 h0.8 r180; Bottom Overlay "K" at 55.169,18.099 h0.8 r180; Bottom Overlay "M" at 55.169,19.724 h0.8 r180; Bottom Overlay "P" at 55.169,21.324 h0.8 r180; Bottom Overlay "T" at 55.169,22.924 h0.8 r180; Bottom Overlay "R" at 55.169,22.124 h0.8 r180; Bottom Overlay "N" at 55.169,20.524 h0.8 r180; Bottom Overlay "L" at 55.169,18.924 h0.8 r180; Bottom Overlay "J" at 55.144,17.299 h0.8 r180; Bottom Overlay "G" at 55.169,15.674 h0.8 r180; Bottom Overlay "E" at 55.169,14.074 h0.8 r180; Bottom Overlay "C" at 55.169,12.474 h0.8 r180; Bottom Overlay "A" at 55.169,10.874 h0.8 r180; Bottom Overlay "1" at 52.094,9.349 h0.8 r180; Bottom Overlay "3" at 53.569,9.349 h0.8 r180; Bottom Overlay "7" at 56.794,9.349 h0.8 r180; Bottom Overlay "9" at 58.494,9.349 h0.8 r180; Bottom Overlay "8" at 57.619,9.349 h0.8 r180; Bottom Overlay "2" at 52.819,9.349 h0.8 r180